# Altium PCB PCB1.PcbDoc (continued)
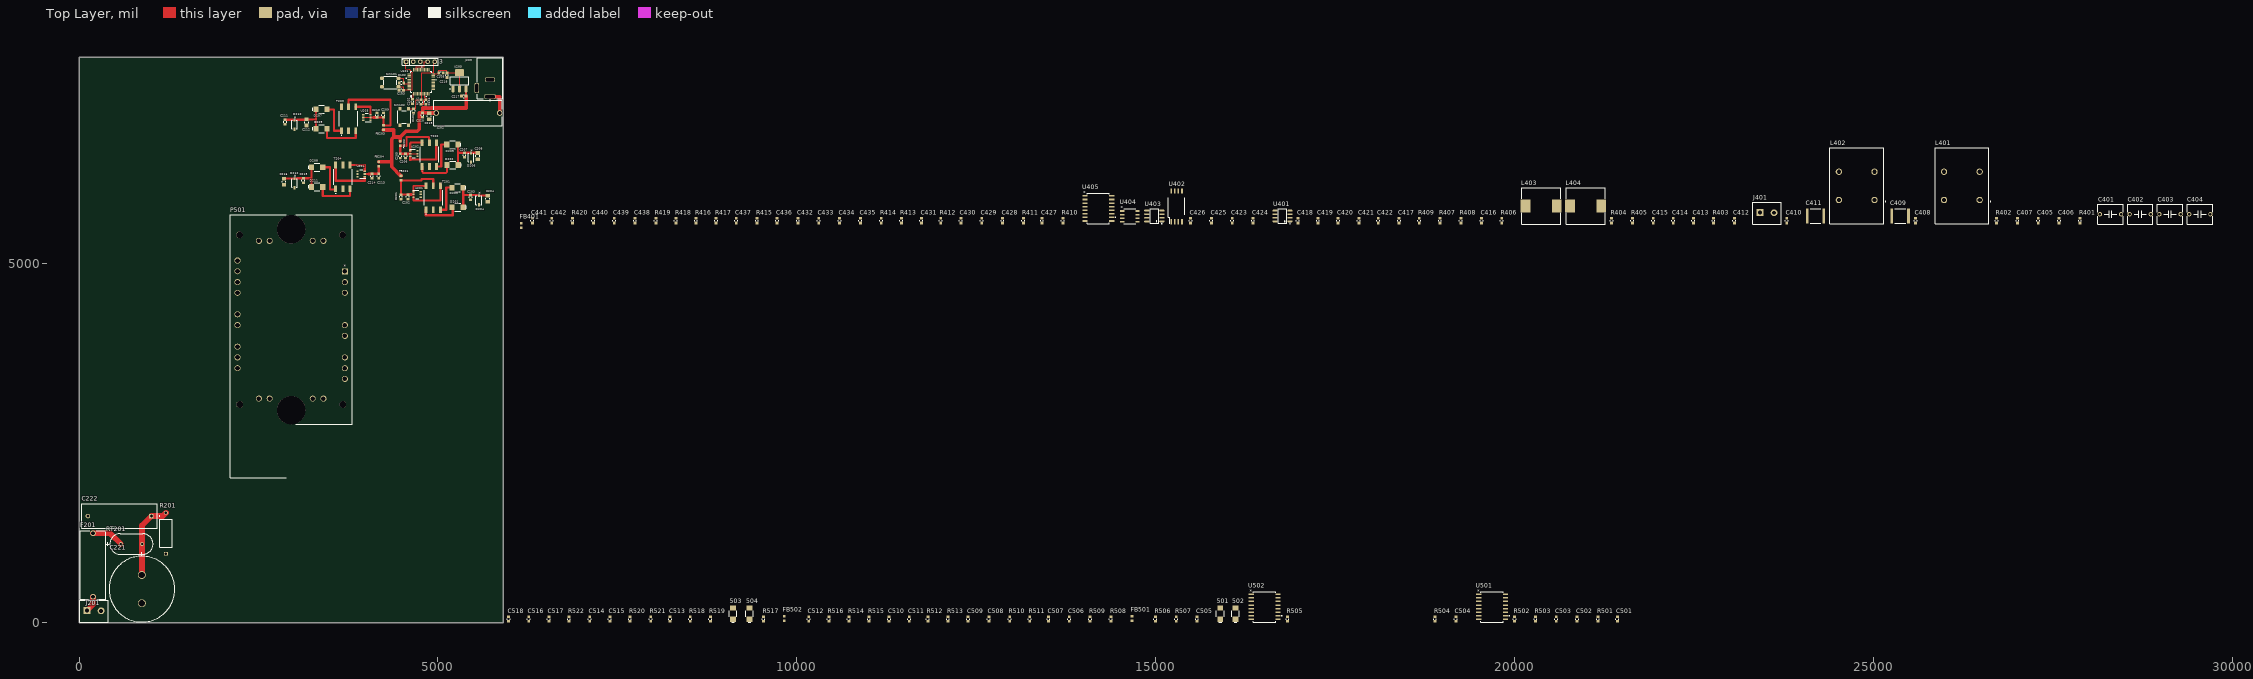
[diagram p0: Top Layer view]
## Part data (continued)
C222: library part "CAP FILM 1UF 10% 400VDC RADIAL", "1 µF Film Capacitor 200V 400V Polyester, Polyethylene Terephthalate (PET), Metallized Radial", Manufacturer=KEMET, Manufacturer Part Number=R60MN4100AA40K, Supplier Part Number 1=C3775208, ComponentLink1Description=LCSC, ComponentLink1URL=https://www.lcsc.com/product-detail/C3775208.html?s_z=n_q_R60MN4100AA40K&spm=wm.fly.bg.0.xh&lcsc_vid=Q1QLUFRRTgRfUVdSQAVWUgVQT1JdUlwFE1MMV1EEQgAxVlNRTlZbUlJXT1VWXjsOAxUeFF5JWBYZEEoKFBINSQcJGk4eFQsCAgIaSgADAwAHC0slRVhXUFVQR08GEwkK, Supplier 1=LCSC
C401 C402 C403 C404: library part CAP_CER_2200PF_300VAC, "2200 pF ±20% 300VAC Ceramic Capacitor E Radial, Disc", Manufacturer="Murata Electronics", Manufacturer Part Number=DE6E3KJ222MN3A, Supplier Part Number 1=C710554, ComponentLink1Description=LCSC, ComponentLink1URL=https://www.lcsc.com/product-detail/C710554.html?s_z=n_q_DE6E3KJ222MN3A&spm=wm.fly.bg.0.xh&lcsc_vid=FQVeX1BfQFIKVFVWE1NbBlcHQlcKVgFUQwMPAQZWElcxVlNRTlheV1JTQ1JYVzsOAxUeFF5JWBYZEEoKFBINSQcJGk4eFQsCAgIaSgADAwAHC0slRVBYUFVUTk8GEwkK, Supplier 1=LCSC
C405 C406: library part CAP_CER_5.6pF_C0G_250V_0603, "5.6pF C0G 250V 0603 Ceramic Capacitors RoHS", Manufacturer="Taiyo Yuden", Manufacturer Part Number=VJ0603D5R6CXPAJ, Supplier Part Number 1=C2241545, ComponentLink1Description=LCSC, ComponentLink1URL=https://www.lcsc.com/product-detail/C337443.html?s_z=n_q_EMK107BB7225KA-T&spm=wm.fly.bg.0.xh&lcsc_vid=FQVeX1BfQFIKVFVWE1NbBlcHQlcKVgFUQwMPAQZWElcxVlNRTlheVFNUQFFcXzsOAxUeFF5JWBYZEEoKFBINSQcJGk4eFQsCAgIaSgADAwAHC0slRldcVVFRWQkaCgg%3D, Supplier 1=LCSC
C408 C412 C414: library part "CAP_CER _120PF_250V_0603", "120 pF ±5% 250V Capacitores cerámicos C0G, NP0 0603 (1608 métrico)", Manufacturer=YAGEO, Manufacturer Part Number=CL10B102KB8NNNC, Supplier Part Number 1=C3852667, ComponentLink1Description=LCSC, ComponentLink1URL=https://www.lcsc.com/product-detail/C3852667.html?s_z=n_q_CC0603JRNPOYBN121&spm=wm.fly.bg.0.xh&lcsc_vid=Q1QLUFRRTgRfUVdSQAVWUgVQT1JdUlwFE1MMV1EEQgAxVlNRTldaUVdSRlBeXjsOAxUeFF5JWBYZEEoKFBINSQcJGk4dAgUUFAk%3D, Supplier 1=LCSC
C409: library part "CAP CER 1uF 450V X7T 2220", "CAP CER 1uF 450V X7T 2220", Manufacturer=muRata, Manufacturer Part Number=GC355XD7LP105KX17L, Supplier Part Number 1=C5119323, ComponentLink1Description=LCSC, ComponentLink1URL=https://www.lcsc.com/product-detail/C5119323.html?s_z=n_q_t_ceramic%2520capacitor&spm=wm.fly.bg.0.xh___wm.ssy.tc.0.tz&lcsc_vid=Q1QLUFRRTgRfUVdSQAVWUgVQT1JdUlwFE1MMV1EEQgAxVlNRTlhcUlRSQVJdUzsOAxUeFF5JWBYZEEoKFBINSQcJGk4dAgUUFAk%3D, Supplier 1=LCSC
C411: library part Cap_2.2uF_2220, "CAP CER 2.2uF 250V X7R 2220", Manufacturer=CCTC, Manufacturer Part Number=2220B225K251CT, Supplier Part Number 1=C3845592, ComponentLink1Description=LCSC, ComponentLink1URL=https://www.lcsc.com/product-detail/Multilayer-Ceramic-Capacitors-MLCC-SMD-SMT_CCTC-TCC0603X5R106K100CT_C380314.html, Supplier 1=LCSC
C416: library part CAP_CER_1000PF_10V_X7R_0603, "1000 pF ±10% 10V Ceramic Capacitor X7R 0603 (1608 Metric)", Manufacturer="Johanson Technology Inc.", Manufacturer Part Number=C0603C102K5RACTU, Supplier Part Number 1=C2167129, ComponentLink1Description=LCSC, ComponentLink1URL=https://www.lcsc.com/product-detail/C2167129.html?s_z=n_q_p_C0603C102K8RACTU&spm=wm.ssy.bg.0.xh&lcsc_vid=FQVeX1BfQFIKVFVWE1NbBlcHQlcKVgFUQwMPAQZWElcxVlNRTllaV1NURlFaVzsOAxUeFF5JWBYZEEoKFBINSQcJGk4eFQsCAgIaSgADAwAHC0slRlBaUVJRWQkaCgg%3D, Supplier 1=LCSC
C417: library part "CAP CER 1000pF 100V C0G 0603", "CAP CER 1nF 100V C0G 0603", Manufacturer=muRata, Manufacturer Part Number=GRM1885C2A102JA01D, Supplier Part Number 1=C162257, ComponentLink1Description=LCSC, ComponentLink1URL=https://www.lcsc.com/product-detail/C162257.html?s_z=n_q_GRM1885C2A102JA01D&spm=wm.fly.bg.0.xh&lcsc_vid=FQVeX1BfQFIKVFVWE1NbBlcHQlcKVgFUQwMPAQZWElcxVlNRTlheVFZSTlJfXjsOAxUeFF5JWBYZEEoKFBINSQcJGk4%3D, Supplier 1=LCSC
C418 C421 C425 C428 C429 C432 C436 C438 C440 C441 C502 C505 C512 C517: library part Cap_1nF_0603_50V, "50V 1nF X7R ±10% 0603 Multilayer Ceramic Capacitors MLCC - SMD/SMT ROHS", Manufacturer=YAGEO, Manufacturer Part Number=CC0603KRX7R9BB102, Supplier Part Number 1=C100040, ComponentLink1Description=LCSC, ComponentLink1URL=https://www.lcsc.com/product-detail/Multilayer-Ceramic-Capacitors-MLCC-SMD-SMT_YAGEO-CC0603KRX7R9BB102_C100040.html, Supplier 1=LCSC
C422 C442: library part "CAP CER 2.2uF 16V X7R 0603", "CAP CER 2.2uF 16V X7R 0603", Manufacturer="Taiyo Yuden", Manufacturer Part Number=EMK107BB7225KA-T, Supplier Part Number 1=C337443, ComponentLink1Description=LCSC, ComponentLink1URL=https://www.lcsc.com/product-detail/C337443.html?s_z=n_q_EMK107BB7225KA-T&spm=wm.fly.bg.0.xh&lcsc_vid=FQVeX1BfQFIKVFVWE1NbBlcHQlcKVgFUQwMPAQZWElcxVlNRTlheVFNUQFFcXzsOAxUeFF5JWBYZEEoKFBINSQcJGk4eFQsCAgIaSgADAwAHC0slRldcVVFRWQkaCgg%3D, Supplier 1=LCSC
C506 C507 C508 C509 C510 C511 C516 C518: library part "CAP CER_220PF_50V_X7R_0603", "CAP CER 220pF 50V X7R 0603", Manufacturer="Samsung Electro-Mechanics", Manufacturer Part Number=CL10B221KB8NNNC, Supplier Part Number 1=C1603, ComponentLink1Description=LCSC, ComponentLink1URL=https://www.lcsc.com/product-detail/C1603.html?spm=wm.fly.bg.0.xh&lcsc_vid=Q1QLUFRRTgRfUVdSQAVWUgVQT1JdUlwFE1MMV1EEQgAxVlNRTlhfUFFeRFBfXjsOAxUeFF5JWBYZEEoKFBINSQcJGk4NBhADEA4cHktXRlVcSQwSGg0%3D, Supplier 1=LCSC
D204 D206 D210 D212: "-55℃~+150℃ 1 Independent 100nA@15V 19V~21V 20V 25Ω 500mW 600Ω SOD-123 Zener Diodes ROHS", Manufacturer="Slkor(SLKORMICRO Elec.)", Manufacturer Part Number=MMSZ5250B, Supplier Part Number 1=C707177, ComponentLink1Description=JLCPCB, ComponentLink1URL=https://jlcpcb.com/partdetail/Slkor_SLKORMICRO_Elec-MMSZ5250B/C707177, Supplier 1=JLCPCB
F201: library part "FUSE HLDR CARTRIDGE 250V 5A PCB", "Fuse Holder 5 A 250V 1 Circuit Cartridge Through Hole", Manufacturer=Keystone, Manufacturer Part Number=4628, Supplier Part Number 1=C3205254, ComponentLink1Description=LCSC, ComponentLink1URL=https://www.lcsc.com/product-detail/C3205254.html?s_z=n_q_x_Keystone%25204628&spm=wm.ssy.em.0.tz&lcsc_vid=Q1QLUFRRTgRfUVdSQAVWUgVQT1JdUlwFE1MMV1EEQgAxVlNRTlZbVlFQQVlcXzsOAxUeFF5JWBYZEEoKFBINSQcJGk4eFQsCAgIaSgADAwAHC0slQ1hXVFRQQU8GEwkK, Supplier 1=LCSC
FB201 FB203 FB204 FB401 FB501 FB502: library part FERRITE_BEAD_600_OHM, "FERRITE BEAD 600 OHM 0603 4LN", Manufacturer="Bourns Inc.", Manufacturer Part Number=MH1608-601Y, Supplier Part Number 1=MH1608-601YCT-ND, ComponentLink1Description=DigiKEy, ComponentLink1URL=https://www.digikey.com/en/products/detail/bourns-inc/MH1608-601Y/2563317, Supplier 1=DigiKey
FB202: "FERRITE BEAD 600 OHM 0603 4LN", Manufacturer="Bourns Inc.", Manufacturer Part Number=MH1608-601Y, Supplier Part Number 1=MH1608-601YCT-ND, ComponentLink1Description=DigiKEy, ComponentLink1URL=https://www.digikey.com/en/products/detail/bourns-inc/MH1608-601Y/2563317, Supplier 1=DigiKey
J201 J401: library part Con_2x1_TH_5mm, "2POS 5MM", Manufacturer=JILN, Manufacturer Part Number=JL126-50002G01, Supplier Part Number 1=C394556, ComponentLink1Description=Digi-Key, ComponentLink1URL=https://www.lcsc.com/product-detail/Screw-terminal_JILN-JL126-50002G01_C394556.html, Supplier 1=LCSC
J202: "Fuse Holder 5 A 250V 1 Circuit Cartridge Through Hole", Manufacturer=Keystone, Manufacturer Part Number=4628, Supplier Part Number 1=C3205254, ComponentLink1Description=LCSC, ComponentLink1URL=https://www.lcsc.com/product-detail/C3205254.html?s_z=n_q_x_Keystone%25204628&spm=wm.ssy.em.0.tz&lcsc_vid=Q1QLUFRRTgRfUVdSQAVWUgVQT1JdUlwFE1MMV1EEQgAxVlNRTlZbVlFQQVlcXzsOAxUeFF5JWBYZEEoKFBINSQcJGk4eFQsCAgIaSgADAwAHC0slQ1hXVFRQQU8GEwkK, Supplier 1=LCSC
J203: library part Con_Power_Jack_2.1mm_3pins, "CONN PWR JACK 2X5.5MM SOLDER", Manufacturer=HCTL, Manufacturer Part Number=HC-DC-005-2.0T, Supplier Part Number 1=C3010533, ComponentLink1Description=LCSC, ComponentLink1URL=https://www.lcsc.com/product-detail/AC-DC-Power-Connectors_HCTL-HC-DC-005-2-0T_C3010533.html, Supplier 1=LCSC
L401 L402: library part "CMC 4.5MH 12A 2LN 4.4 KOHM TH", "4.5 mH @ 4 MHz 2 Line Common Mode Choke Through Hole 4.4 kOhms @ 4 MHz 12A DCR 8.5mOhm", Manufacturer="WurthPULSE Elektronik", Manufacturer Part Number=PH9455.405NL, Supplier Part Number 1=C5718402, ComponentLink1Description=JLCPCB, ComponentLink1URL=https://www.lcsc.com/product-detail/C5718402.html, Supplier 1=JLCPCB
L403 L404: library part FIXED_IND_100UH_3A_1, "200 µH Unshielded Drum Core, Wirewound Inductor 3 A 80mOhm Max Radial, Horizontal Cylinder (Open)", Manufacturer=FANGCHENG, Manufacturer Part Number=FCH1365-101M, Supplier Part Number 1=C20415559, ComponentLink1Description=LCSC, ComponentLink1URL=https://www.lcsc.com/product-detail/C20415559.html?s_z=n_q_C20415559&globalKeyword=C20415559, Supplier 1=LCSC
P501: library part MOSFET_4N-CH, "MOSFET - Arreglos 1200V (1.2kV) 173H (Tc) 745W (Tc) Montaje de chasis SP3F", Manufacturer="Microchip Technology", Manufacturer Part Number=MSCSM120HM16CT3AG, Supplier Part Number 1=150-MSCSM120HM16CT3AG-ND, ComponentLink1Description=JLCPCB, ComponentLink1URL=https://www.digikey.com/es/products/detail/microchip-technology/MSCSM120HM16CT3AG/12350281?s=N4IgTCBcDaILIGUDCC4EYwAYAS6BsSAKgMwCCA4iALoC%2BQA, Supplier 1=DigiKey
R101 R102 R406 R409 R410 R412 R417 R504 R508 R509 R510 R511 R512 R513 R517 R520 R521: library part Res_10k_0603_1/10W, "RES SMD 10k OHM 5% 1/10W 0603", Manufacturer=FOJAN, Manufacturer Part Number=FRC0603J103TS, Supplier Part Number 1=C2930027, ComponentLink1Description=LCSC, ComponentLink1URL=https://www.lcsc.com/product-detail/Chip-Resistor-Surface-Mount_FOJAN-FRC0603J103TS_C2930027.html, Supplier 1=LCSC
R201: library part "RES 100K OHM 5% 2W AXIAL", "100 kOhms ±5% 2W Through Hole Resistor Axial Flame Proof, Safety Metal Film", Manufacturer=YAGEO, Manufacturer Part Number=FMP200JR-52-100K, Supplier Part Number 1=C3456483, ComponentLink1Description=LCSC, ComponentLink1URL=https://www.lcsc.com/product-detail/C3456483.html?s_z=n_q_FMP200JR-52-100K&spm=wm.fly.bg.0.xh&lcsc_vid=Q1QLUFRRTgRfUVdSQAVWUgVQT1JdUlwFE1MMV1EEQgAxVlNRTlZbUVVUQFBeVjsOAxUeFF5JWBYZEEoKFBINSQcJGk4eFQsCAgIaSgADAwAHC0slRFZZUlZWT08GEwkK, Supplier 1=LCSC
R401 R402 R403: library part RES_300K_OHM_0603, "300 kOhms ±1% 0.1W, 1/10W Chip Resistor 0603 (1608 Metric) Moisture Resistant Thick Film", Manufacturer=YAGEO, Manufacturer Part Number=RC0603FR-07300KL, Supplier Part Number 1=C114667, ComponentLink1Description=LCSC, ComponentLink1URL=https://www.lcsc.com/product-detail/C114667.html?s_z=n_q_RC0603FR-07300KL&spm=wm.fly.bg.0.cbh&lcsc_vid=FQVeX1BfQFIKVFVWE1NbBlcHQlcKVgFUQwMPAQZWElcxVlNRTlldX1NfRlVdUjsOAxUeFF5JWBYZEEoKFBINSQcJGk4eFQsCAgIaSgADAwAHC0slQFBWUldRWQkaCgg%3D, Supplier 1=LCSC
R404 R405 R407 R408: library part RES_SMD_1M_OHM_0603, "1 MOhms ±1% 0.125W, 1/8W Chip Resistor 0603 (1608 Metric) Automotive AEC-Q200 Thick Film", Manufacturer="Vishay Dale", Manufacturer Part Number=CRCW06031M00FKEA, Supplier Part Number 1=C844922, ComponentLink1Description=LCSC, ComponentLink1URL=https://www.lcsc.com/product-detail/C844922.html?s_z=n_q_CRCW06031M00FKEA&spm=wm.fly.bg.0.xh&lcsc_vid=FQVeX1BfQFIKVFVWE1NbBlcHQlcKVgFUQwMPAQZWElcxVlNRTlheVV1VQVNXVDsOAxUeFF5JWBYZEEoKFBINSQcJGk4dAgUUFAk%3D, Supplier 1=LCSC
R411 R413 R418 R505 R516: library part RES_20K_OHM_0603, "RES 20kΩ ±1% 100mW 0603", Manufacturer=FOJAN, Manufacturer Part Number=FRC0603F2002TS, Supplier Part Number 1=C2907011, ComponentLink1Description=LCSC, ComponentLink1URL=https://www.lcsc.com/product-detail/C2907011.html?s_z=n_q_t_resistor%252020k&spm=wm.fly.bg.0.xh___wm.ssy.tc.0.tz&lcsc_vid=Q1QLUFRRTgRfUVdSQAVWUgVQT1JdUlwFE1MMV1EEQgAxVlNRTlhfXldRRFJaUDsOAxUeFF5JWBYZEEoKFBINSQcJGk4dAgUUFAk%3D, Supplier 1=LCSC
R414 R415 R419 R420: library part Res_84R5_0603_1/10W, "100mW Thick Film Resistor 50V ±100ppm/℃ ±1% 84.5Ω 0603 Chip Resistor - Surface Mount ROHS", Manufacturer="LIZ Elec", Manufacturer Part Number=CR0603FA84R5G, Supplier Part Number 1=C101216, ComponentLink1Description=LCSC, ComponentLink1URL=https://lcsc.com/product-detail/Chip-Resistor-Surface-Mount_LIZ-Elec-CR0603FA84R5G_C101216.html, Supplier 1=LCSC
R416: library part Res_49k9_0603_1/10W, "100mW Thick Film Resistor 75V ±100ppm/℃ ±1% 49.9kΩ 0603 Chip Resistor - Surface Mount ROHS", Manufacturer=YAGEO, Manufacturer Part Number=RC0603FR-0749K9L, Supplier Part Number 1=C114624, ComponentLink1Description=LCSC, ComponentLink1URL=https://lcsc.com/product-detail/Chip-Resistor-Surface-Mount_YAGEO-RC0603FR-0749K9L_C114624.html, Supplier 1=LCSC
R501 R522: library part "RES_18K_OHM _0603", "18 kOhms ±5% 0.1W, 1/10W Resistencia en microprocesador 0603 (1608 métrico) Resistente a la humedad Película gruesa", Manufacturer=YAGEO, Manufacturer Part Number=RC0603JR-0718KL, Supplier Part Number 1=C105575, ComponentLink1Description=LCSC, ComponentLink1URL=https://www.lcsc.com/product-detail/C105575.html?s_z=n_q_RC0603FR-0720KL&spm=wm.fly.bg.0.xh&lcsc_vid=RQNdVwAEE1JbUldTTgAIXlFWQ1NYXlYETgNXUlBVFQMxVlNRTlReVV1VQVBaVDsOAxUeFF5JWBYZEEoKFBINSQcJGk4eFQsCAgIaSgADAwAHC0slRlBcVFRTWQkaCgg%3D, Supplier 1=LCSC
R502 R503 R514 R515: library part RES_SMD_5.1_OHM_0603, "5.1 Ohms ±1% 0.125W, 1/8W Resistencia en microprocesador 0603 (1608 métrico) AEC-Q200 automotriz Película gruesa", Manufacturer=VISHAY, Manufacturer Part Number=CRCW06035R10FKEA, Supplier Part Number 1=C242492, ComponentLink1Description=LCSC, ComponentLink1URL=https://lcsc.com/product-detail/Chip-Resistor-Surface-Mount_YAGEO-RC0603FR-0754K9L_C185321.html, Supplier 1=LCSC
R506 R507 R518 R519: library part RES_1_OHM_0603, "1 Ohms ±1% 0.1W, 1/10W Resistencia en microprocesador 0603 (1608 métrico) Resistente a la humedad Película gruesa", Manufacturer=YAGEO, Manufacturer Part Number=RC0603FR-071RL, Supplier Part Number 1=C112305, ComponentLink1Description=LCSC, ComponentLink1URL=https://www.lcsc.com/product-detail/C112305.html?s_z=n_q_RC0603FR-071RL&spm=wm.fly.bg.0.xh&lcsc_vid=RQNdVwAEE1JbUldTTgAIXlFWQ1NYXlYETgNXUlBVFQMxVlNRTlReVVxSRVZcUDsOAxUeFF5JWBYZEEoKFBINSQcJGk4eFQsCAgIaSgADAwAHC0slRVVcU11UWQkaCgg%3D, Supplier 1=LCSC
RT201: library part ICL_5_OHM_5A, "Inrush Current Limiter 5 Ohms ±20% 5 A 0.591\" (15.00mm)", Manufacturer=TDK, Manufacturer Part Number="ICL 5 OHM 20% 5A 15MM", Supplier Part Number 1=C718537, ComponentLink1Description=LCSC, ComponentLink1URL=https://www.lcsc.com/product-detail/C718537.html?s_z=n_q_B57237S0509M000&spm=wm.fly.bg.0.xh&lcsc_vid=FQVeX1BfQFIKVFVWE1NbBlcHQlcKVgFUQwMPAQZWElcxVlNRTlldUVVTT1FbVjsOAxUeFF5JWBYZEEoKFBINSQcJGk4eFQsCAgIaSgADAwAHC0slRFVbUVBeRE8GEwkK, Supplier 1=LCSC
SW101 SW102: library part Sw_PUSH_4.5x4.5x5.0xmm, "SWITCH TACTILE SPST-NO 0.05A 12V", Manufacturer=BZCN, Manufacturer Part Number=TSC015A05026A, Supplier Part Number 1=C2888509, ComponentLink1Description=LCSC, ComponentLink1URL=https://www.lcsc.com/product-detail/Tactile-Switches_BZCN-TSC015A05026A_C2888509.html, Last modified by=N-A.Potosi, Last modified date=20190222, Supplier 1=LCSC
T201 T202 T203 T204: "XFMR FWD P-P DC/DC CONV 475UH SM", Manufacturer=VPSC, Manufacturer Part Number=VPT85BD-01A, Supplier Part Number 1=C2846911, ComponentLink1Description=LCSC, ComponentLink1URL=https://www.lcsc.com/product-detail/C2846911.html, Supplier 1=LCSC
U101: library part IC_STM32F030C8T6TR_LQFP48_7x7MM, "IC MCU 32BIT 64KB FLASH 48LQFP", Manufacturer=STMicroelectronics, Manufacturer Part Number=STM32F030C8T6TR, Supplier Part Number 1=C23922, ComponentLink1Description=LCSC, ComponentLink1URL=https://www.lcsc.com/product-detail/ST-Microelectronics_STMicroelectronics-STM32F030C8T6_C23922.html, Supplier 1=LCSC
U201 U202 U203 U204: library part IC_TRANSFORMER_DRIVER_6SOT-23, "IC TRANSFORMER DRIVER 6SOT-23", Manufacturer="Texas Instruments", Manufacturer Part Number=SN6505BDBVR, Supplier Part Number 1=C74518, ComponentLink1Description=LCSC, ComponentLink1URL=https://www.lcsc.com/product-detail/C74518.html?s_z=n_q_SN6505BDBVR&spm=wm.fly.bg.0.xh&lcsc_vid=RQNdVwAEE1JbUldTTgAIXlFWQ1NYXlYETgNXUlBVFQMxVlNRTlReV1VfRFJbUjsOAxUeFF5JWBYZEEoKFBINSQcJGk4eFQsCAgIaSgADAwAHC0slTlFeUlNIHxUDCw%3D%3D, Supplier 1=LCSC
U205: library part LDO_3V3_1A_FIXED, "1A 60dB@(120Hz) Fixed 3.3V Positive 18V SOT-223 Linear Voltage Regulators (LDO) ROHS", Manufacturer="UMW(Youtai Semiconductor Co., Ltd.)", Supplier Part Number 1=C347222, ComponentLink1Description=LCSC, ComponentLink1URL=https://www.lcsc.com/product-detail/_UMW-Youtai-Semiconductor-Co-Ltd-_C347222.html, Manufacturer Part Number=AMS1117-3.3, Supplier 1=LCSC
U401 U403: library part "Cross chip CC6937S8-5FB040", "High-performance Hall effect current sensor", Manufacturer="Cross chip", Manufacturer Part Number=CC6937S8-5FB040, Supplier Part Number 1=C41421928, ComponentLink1Description=LCSC, ComponentLink1URL=https://www.lcsc.com/product-detail/C41421928.html?s_z=n_q_CC6937S8-5FB040&spm=wm.fly.bg.0.xh&lcsc_vid=Q1QLUFRRTgRfUVdSQAVWUgVQT1JdUlwFE1MMV1EEQgAxVlNRTldbV1ZWRVhcVTsOAxUeFF5JWBYZEEoKFBINSQcJGk4eFQsCAgIaSgADAwAHC0slRVlYVFZWTk8GEwkK, Supplier 1=LCSC
U402: library part "IC ISOLATION 8SOIC", "Aislamiento CI 8-SOIC", Manufacturer="Texas Instruments", Supplier Part Number 1=C783598, ComponentLink1Description=LCSC, ComponentLink1URL=https://www.lcsc.com/product-detail/C783598.html?s_z=n_q_AMC1311BDWVR&spm=wm.fly.bg.0.xh&lcsc_vid=Q1QLUFRRTgRfUVdSQAVWUgVQT1JdUlwFE1MMV1EEQgAxVlNRTlRXVFRQRFNYXjsOAxUeFF5JWBYZEEoKFBINSQcJGk4eFQsCAgIaSgADAwAHC0slRlNXXlBRWQkaCgg%3D, Manufacturer Part Number=AMC1311BDWVR, Supplier 1=LCSC
U404: library part "CURRENT SENSOR 20A", "Sensores de corriente ±20 A 1 canal Efecto Hall, Circuito abierto Bidireccional 8-SOIC (0.154\", 3.90mm de ancho)", Manufacturer="Allegro MicroSystems", Manufacturer Part Number=ACS724LLCTR-20AB-T, Supplier Part Number 1=C99738, ComponentLink1Description=LCSC, ComponentLink1URL=https://www.lcsc.com/product-detail/Current-Sensors_Allegro-MicroSystems-LLC-ACS724LLCTR-20AB-T_C99738.html, Supplier 1=LCSC
U405: library part "IC ISOLATED AMPLIFIER", "Precision, ±1V input, enhanced isolation amplifier with integrated DC/DC converter", Manufacturer="Texas Instruments", Supplier Part Number 1=C5214212, ComponentLink1Description=LCSC, ComponentLink1URL=https://www.lcsc.com/product-detail/C5214212.html?s_z=n_q_AMC3330QDWERQ1&spm=wm.fly.bg.0.xh&lcsc_vid=Q1QLUFRRTgRfUVdSQAVWUgVQT1JdUlwFE1MMV1EEQgAxVlNRTlRXU1ReRFBfUjsOAxUeFF5JWBYZEEoKFBINSQcJGk4dAgUUFAk%3D, Manufacturer Part Number=AMC3330QDWERQ1, Supplier 1=LCSC
U501 U502: library part "DGTL ISO 5.7KV 2CH GT DVR 16SOIC", "4A, 6A Controladores de compuerta Acoplamiento capacitivo 5700Vrms 2 canal 16-SOIC", Manufacturer="Texas Instruments", Manufacturer Part Number=UCC21540DW, Supplier Part Number 1=296-53088-ND, ComponentLink1Description=DigiKEy, ComponentLink1URL=https://www.digikey.com/es/products/detail/texas-instruments/UCC21540DW/9860890, Supplier 1=DigiKey

## Nets (pads, with @x,y where several pads share a name; then routed paths per layer and width w, separated by ;. In a path a pad name is that pad's centre, name@x,y a point inside that pad or via, vN(x,y) a via of type N, cw(c..) or ccw(c..) an arc to the next point about the centre after c; other vN are vias at no path point)
3.3V: 3.1 C102.1 C103.1 C104.1 C105.1 C218.1 R101.2 SW101.1 U101.1 U101.9 U101.24 U101.48 U205.2 U205.4 | length 1720.7
  Top Layer w10: SW101.1@4450.16,7465.94 4520,7465.94 C103.1@4520,7426.73 ; C103.1 C103.1@4520,7426.73 ; 3.1 4550,7815 4550,7710 4598.34,7710 4645,7663.34 4645,7426.73 U101.48 C103.1@4520,7426.73 ; C102.1 4656.73,7290 U101.1 ; R101.2 4800,7222 4800,7286.5 C104.1 4835,7315 4814.21,7315 U101.9 ; U101.24 5008.5,7643.27 C105.1 5008.5,7695 5125,7695 C218.1 cw(c5141.53,7639.97) 5141.53,7663.35 U205.4 U205.2
5v: C217.1 C219.1 C220.1 C423.1 C424.1 C426.2 C427.2 C430.2 C431.2 C433.1 C434.1 C435.2 C437.2 FB201.2 FB202.2 FB203.2 FB204.2 FB401.1 FB501.2 FB502.2 J202.2 R504.1 R517.2 U205.3 U401.8 U402.1 U402.8 U403.8 U404.8 | length 2903.5
  Top Layer w25: C217.1@5390.55,7335 U205.3
  Top Layer w50: FB204.2 4355,6421.5 4355,6430 ; FB203.2 4384.29,6863.5 4384.29,6765.71 ; FB202.2 4475,6765.71 ; FB201.2 4355,6353 4355,6430 ; J202.2 4881.69,7100 C219.1 4876.81,7101.5 C220.1 ; C217.1@5390.55,7335 C217.1 5391.5,7170 4790,7170 4790,7101.5 C220.1 ; 4355,6430 4355,6736.42 4384.29,6765.71 ; 4384.29,6765.71 4475,6765.71 ; 4475,6765.71 4554.29,6845 4710.71,6845 4740,6874.29 4740,7101.5 C220.1
18V_A_HS: C203.1 C204.1 C513.1 D201.1 D203.1 D204.1 U501.16 | length 632.3
  Top Layer w30: D203.1 5352.36,6060 5352.36,5955 ; D201.1 5352.36,5955 ; C204.1 5695,5951 D204.1 5570,5956.5 C203.1 5352.36,5956.5 5352.36,5955
18V_A_LS: C207.1 C208.1 C501.1 D202.1 D205.1 D206.1 U501.11 | length 574.3
  Top Layer w30: D205.1 5277.36,6550 ; D202.1 5277.36,6375 5277.36,6550 ; C208.1 5555,6546 D206.1 5370,6546 C207.1 5277.36,6546.5 5277.36,6550
18V_B_HS: C211.1 C212.1 C503.1 D207.1 D209.1 D210.1 U502.16 | length 710.1
  Top Layer w30: C211.1 2870,7006 D210.1 3170,7006 C212.1 3300.28,7011.61 3300.28,7015 ; D209.1 3300.28,6880 3300.28,7015 ; D207.1 3300.28,7015
18V_B_LS: C215.1 C216.1 C514.1 D208.1 D211.1 D212.1 U502.11 | length 668.3
  Top Layer w30: C216.1 3000,6185 D212.1 3125,6191 C215.1 3240.28,6191.5 3240.28,6190 ; D211.1 3240.28,6190 ; D208.1 3240.28,6190
AC_A: P501.22 P501.23 U401.1 U401.2
AC_B: L403.2 P501.7
ADC_IDC_BUS: C432.2 R412.1 R413.2 U101.11
ADC_IOUT: C428.2 R410.1 R411.2 U101.17
ADC_IOUT_FILTER: C440.2 R417.1 R418.2 U101.13
ADC_VDC_BUS_1: R414.1 U101.10
ADC_VDC_BUS_2: R415.1 U101.15
ADC_VOUT_1: R420.1 U101.12
ADC_VOUT_2: R419.1 U101.16
CLK: 3.2 U101.37
DC+: C405.1 C406.1 C407.1 C408.1 C410.1 C412.1 C413.1 C414.1 C415.1 P501.13 P501.14 R401.2 U403.3 U403.4
DCLINK+_HV: C221.1 C222.1 R201.2 RT201.2 U403.1 U403.2 | length 1097.1
  Top Layer w80: C221.1 877.64,666.34 RT201.2 877.64,1354.73 C222.1 1165,1485 R201.2
DISABLE: C502.1 C517.1 R501.1 R504.2 R517.1 R522.2 U101.31 U501.5 U502.5
GND: 3.3 C101.2 C102.2 C103.2 C104.2 C105.2 C201.2 C202.2 C205.2 C206.2 C209.2 C210.2 C213.2 C214.2 C217.2 C218.2 C219.2 C220.2 C425.2 C426.1 C427.1 C428.1 C429.2 C430.1 C431.1 C432.1 C433.2 C434.2 C435.1 C436.2 C437.1 C438.2 C439.2 C440.1 C441.2 C442.2 J203.2 J203.3 R102.1 R411.1 R413.1 R418.1 SW102.2 U101.8 U101.23 U101.47 U201.4 U201.6 U202.4 U202.6 U203.4 U203.6 U204.4 U204.6 U205.1 U401.5 U402.5 U403.5 U404.5 U405.9 U405.15
GND_A_HS: C203.2 C204.2 C513.2 D204.2 T201.2 U501.14
GND_A_LS: C207.2 C208.2 C501.2 D206.2 T202.2 U501.9
GND_B_HS: C211.2 C212.2 C503.2 D210.2 T203.2 U502.14
GND_B_LS: C215.2 C216.2 C514.2 D212.2 T204.2 U502.9
GND_EXT: C502.2 C504.2 C505.2 C506.2 C508.2 C510.1 C511.1 C512.2 C515.2 C517.2 R501.2 R505.2 R508.1 R509.1 R512.2 R513.2 R516.1 R522.1 U501.4 U502.4
GND_HS: C507.2 C509.2 C516.2 P501.10 P501.19 P501.27 R510.1 R511.1 R520.1
GND_HV: C221.2 C222.2 C405.2 C406.2 C407.2 C408.2 C410.2 C412.2 C413.2 C414.2 C415.2 C416.2 C423.2 C424.2 J201.2 P501.29 P501.30 P501.31 P501.32 R201.1 R406.1 U402.3 U402.4
GND_LS: C518.2 P501.3 R521.1
GND_SENSE: C417.1 C418.1 C419.1 C420.1 C421.1 C422.1 R407.1 R409.1 U405.2 U405.7 U405.8
GRID_GND_1: C403.1 C404.1
GRID_GND_2: C401.1 C402.1
Net501_1: 501.1 R502.1 U501.15
Net501_2: 501.2 R506.1
Net502_1: 502.1 R503.2 U502.15
Net502_2: 502.2 R507.2
Net503_1: 503.1 R514.1 U501.10
Net503_2: 503.2 R518.1
Net504_1: 504.1 R515.2 U502.10
Net504_2: 504.2 R519.2
NetC201_1: C201.1 C202.1 FB201.1 T201.5 U201.2 U201.5 | length 857
  Top Layer w30: C202.1 C201.1 FB201.1 4770,6160 4770,6180 4935,6180 T201.5
NetC205_1: C205.1 C206.1 FB202.1 T202.5 U202.2 U202.5 | length 892.1
  Top Layer w10: U202.2 U202.5
  Top Layer w30: C206.1 C205.1 FB202.1 4560,6643.5 4560,6765 4875,6765 4875,6686.81 T202.5
NetC209_1: C209.1 C210.1 FB203.1 T203.5 U203.2 U203.5 | length 1445.2
  Top Layer w10: U203.5 U203.2
  Top Layer w30: T203.5 3755,7285 4340,7285 4340,6926.5 FB203.1 C209.1 C210.1 C210.1@4150,7037.4
NetC213_1: C213.1 C214.1 FB204.1 T204.5 U204.2 U204.5 | length 202
  Top Layer w30: C214.1 4080,6253 C213.1 FB204.1
NetC401_2: C401.2 C411.2 L402.1 U401.3 U401.4
NetC402_2: C402.2 C411.1 L402.4 L404.1
NetC403_2: C403.2 C409.1 L401.1 L402.2 R404.2
NetC404_2: C404.2 C409.2 L401.4 L402.3 R405.2
NetC416_1: C416.1 R403.1 R406.2 U402.2
NetC417_2: C417.2 R408.1 R409.2 U405.6
NetC418_2: C418.2 C419.2 U405.5
NetC420_2: C420.2 C421.2 C422.2 U405.1 U405.3
NetC425_1: C425.1 R410.2 U401.6
NetC429_1: C429.1 R412.2 U403.6
NetC436_1: C436.1 R417.2 U404.7
NetC438_1: C438.1 U404.6
NetC439_1: C439.1 U405.13 U405.16
NetC441_1: C441.1 C442.1 FB401.2 R416.2 U405.14
NetC504_1: C504.1 FB501.1 U501.3 U501.8
NetC505_1: C505.1 R505.1 U501.6
NetC507_1: C507.1 P501.11 R503.1 R507.1 R511.2
NetC509_1: C509.1 P501.18 R502.2 R506.2 R510.2
NetC512_1: C512.1 R516.2 U502.6
NetC515_1: C515.1 FB502.1 U502.3 U502.8
NetC516_1: C516.1 P501.26 R514.2 R518.2 R520.2
NetC518_1: C518.1 P501.4 R515.1 R519.1 R521.2
NetD201_2: D201.2 T201.1 | length 573.7
  Top Layer w30: T201.1 4830,5751.38 4830,5675 5205,5675 5205,5785 D201.2
NetD202_2: D202.2 T202.1 | length 525.2
  Top Layer w30: T202.1 4780,6282.57 4797.57,6265 5110.06,6265 5127.64,6282.57 D202.2
NetD203_2: D203.2 T201.3 | length 466.3
  Top Layer w30: T201.3 5115,5751.38 5115,6060 D203.2
NetD205_2: D205.2 T202.3 | length 449.4
  Top Layer w30: T202.3 5045,6353.19 5045,6660 D205.2
NetD207_2: D207.2 T203.1 | length 496.8
  Top Layer w30: D207.2 3550,7150 3550,6853.19 T203.1
NetD208_2: D208.2 T204.1 | length 498.2
  Top Layer w30: D208.2 3495,6345 3495,6035 3575,6035 T204.1
NetD209_2: D209.2 T203.3 | length 633.5
  Top Layer w30: D209.2 3455,6880 3455,6750 3855,6750 T203.3
NetD211_2: D211.2 T204.3 | length 603.2
  Top Layer w30: D211.2 3395,5945 3775,5945 T204.3
NetF201_1: F201.1 J201.1 | length 225.2
  Top Layer w80: J201.1 195,255 F201.1
NetF201_2: F201.2 RT201.1 | length 449.8
  Top Layer w80: F201.2 431.54,1245.83 RT201.1
NetJ202_1: J202.1 J203.1 | length 363.8
  Top Layer w50: J203.1 5860,7328.78 J202.1
NetJ401_1: J401.1 L401.2 U404.1 U404.2
NetJ401_2: J401.2 L401.3 U404.3 U404.4
NetL403_1: L403.1 L404.2
NetR102_2: R102.2 SW101.2 U101.44 | length 226.1
  Top Layer w10: SW101.2@4450.16,7584.06 4521.5,7584.06 R102.2 4521.5,7505.47 U101.44
NetR401_1: R401.1 R402.2
NetR402_1: R402.1 R403.2
NetR404_1: R404.1 R407.2
NetR405_1: R405.1 R408.2
NetR414_2: R414.2 U402.6
NetR415_2: R415.2 U402.7
NetR416_1: R416.1 U405.12
NetR419_2: R419.2 U405.10
NetR420_2: R420.2 U405.11
NetT201_4: T201.4 U201.3 | length 627.8
  Top Layer w30: U201.3 4659.8,5880 5035,5880 T201.4
NetT201_6: T201.6 U201.1 | length 257.8
  Top Layer w30: U201.1 4659.8,6085 T201.6
NetT202_4: T202.4 U202.3 | length 602
  Top Layer w30: 4614.8,6450 4975,6450 4975,6686.81 T202.4
NetT202_6: T202.6 U202.1 | length 279.5
  Top Layer w30: U202.1 4614.8,6674.8 4615,6675 4615,6686.81 T202.6
NetT203_4: T203.4 U203.3 | length 301.8
  Top Layer w30: T203.4 4060,7186.81 4060,7090
NetT203_6: T203.6 U203.1
NetT204_4: T204.4 U204.3 | length 251.8
  Top Layer w30: T204.4 3980,6376.81 3980,6330
NetT204_6: T204.6 U204.1 | length 641.8
  Top Layer w30: T204.6 3575,6155 3980,6155 3980,6170
NRESET: 3.5 C101.1 R101.1 SW102.1 U101.7 | length 1017.3
  Top Layer w10: SW102.1@4589.06,7160.16 4589.06,7160 C101.1 4690,7160 4690,7285 R101.1 4774.84,7285 U101.7 ; U101.7@4775,7367.68 4775,7663.82 4785,7663.82 4861.05,7663.82 4902.16,7663.82 4902.61,7664.27 4934.14,7664.27 4940,7670.13 4940,7815 3.5
PWM_A_H: C508.1 R509.2 U101.29 U502.1
PWM_A_L: C506.1 R508.2 U101.32 U502.2
PWM_B_H: C511.2 R513.1 U101.30 U501.1
PWM_B_L: C510.2 R512.1 U101.18 U501.2
SWDIO: 3.4 U101.34 | length 272.7
  Top Layer w10: U101.34@4695,7702.32 4695,7745 4810,7745 4810,7815 3.4
pads on no net: P501.2 P501.8 P501.12 P501.15 P501.16 P501.20 P501.25 P501.28 P501.M1 P501.M2 P501.M3 P501.M4 P501.M5 P501.M6 U101.2 U101.3 U101.4 U101.5 U101.6 U101.14 U101.19 U101.20 U101.21 U101.22 U101.25 U101.26 U101.27 U101.28 U101.33 U101.35 U101.36 U101.38 U101.39 U101.40 U101.41 U101.42 U101.43 U101.45 U101.46 U401.7 U403.7 U405.4 U501.7 U501.12 U501.13 U502.7 U502.12 U502.13

## Other copper
Top Layer:
  region net NetC213_1: 4078.54,6268.25 4078.54,6268.14 ccw(c4034.43,6261.65) 4027.93,6261.65 4027.93,6259.45 3976.55,6259.45 3976.55,6239.97 4027.16,6239.97 4027.16,6235.35 ccw(c4028.81,6235.35) 4028.81,6233.7 4079.09,6233.7
  region net NetC209_1: 4151.07,7055.86 4151.07,7055.04 4099.5,7055.04 ccw(c4099.5,7052.58) 4097.04,7052.58 4097.04,7045.68 4058.28,7045.68 cw(c4058.28,7046.5) 4057.46,7046.5 4057.46,7029.42 ccw(c4060.25,7029.42) 4060.25,7026.63 4097.04,7026.63 ccw(c4100.98,7026.63) 4100.98,7022.69 4151.56,7022.69
  region net NetC205_1: 4547.63,6549.18 4581.9,6549.18 cw(c4581.9,6545.96) 4585.12,6545.96 4585.12,6543.52 4619.78,6543.52 cw(c4619.78,6538.05) 4625.24,6538.05 4625.24,6525.17 4588.15,6525.17 cw(c4588.15,6525.95) 4587.37,6525.95 4587.37,6515.5 cw(c4586,6515.5) 4586,6514.14 4548.71,6514.14 cw(c4548.71,6515.21) 4547.63,6515.21
  region net NetC201_1: 4579.3,5980.59 4629.74,5980.59 cw(c4629.74,5977.07) 4633.26,5977.07 4633.26,5973.1 ccw(c4634.59,5973.1) 4634.59,5971.78 4671.15,5971.78 4671.15,5954.38 4632.82,5954.38 4632.82,5947.55 cw(c4631.5,5947.55) 4631.5,5946.23 4579.74,5946.23
  region net NetT204_4: 3965.62,6328.05 3965.62,6331.96 3994.51,6331.96 3994.51,6280.12 3966.3,6280.12
  region net NetT204_6: 3965,6170 3965,6187.67 3965,6220 3994.24,6220 3994.24,6172.8
  region net NetT202_4: 4630.31,6435.05 4598.92,6435.05 4598.92,6499.47 4630.31,6499.47

## Silkscreen, mask and mechanical layers (free items; w line width, h text height)
Board Shape:
  lines w10: 5,7874.02 5,0 5910.51,0 5910.51,7874.02

## Text inside footprints (layer, text, board x,y; h text height)
D204: Top Overlay "*" at 5545,6002.5 h50 r270
D206: Top Overlay "*" at 5435,6597.5 h50 r270
D210: Top Overlay "*" at 2975,7057.5 h50 r270
D212: Top Overlay "*" at 2975,6242.5 h50 r270
P501: Top Overlay "*" at 3690.53,4934.78 h50; Mechanical 13 "*" at 3750.53,4874.78 h50
U404: Top Overlay "*" at 14510.25,5752 h50
U405: Top Overlay "*" at 13991.11,5961.97 h50
U501: Top Overlay "*" at 19476,412 h50
U502: Top Overlay "*" at 16306,412 h50